# Altium PCB LimeSDR-USB_1v4.PcbDoc (part 9 of 10) (continued)
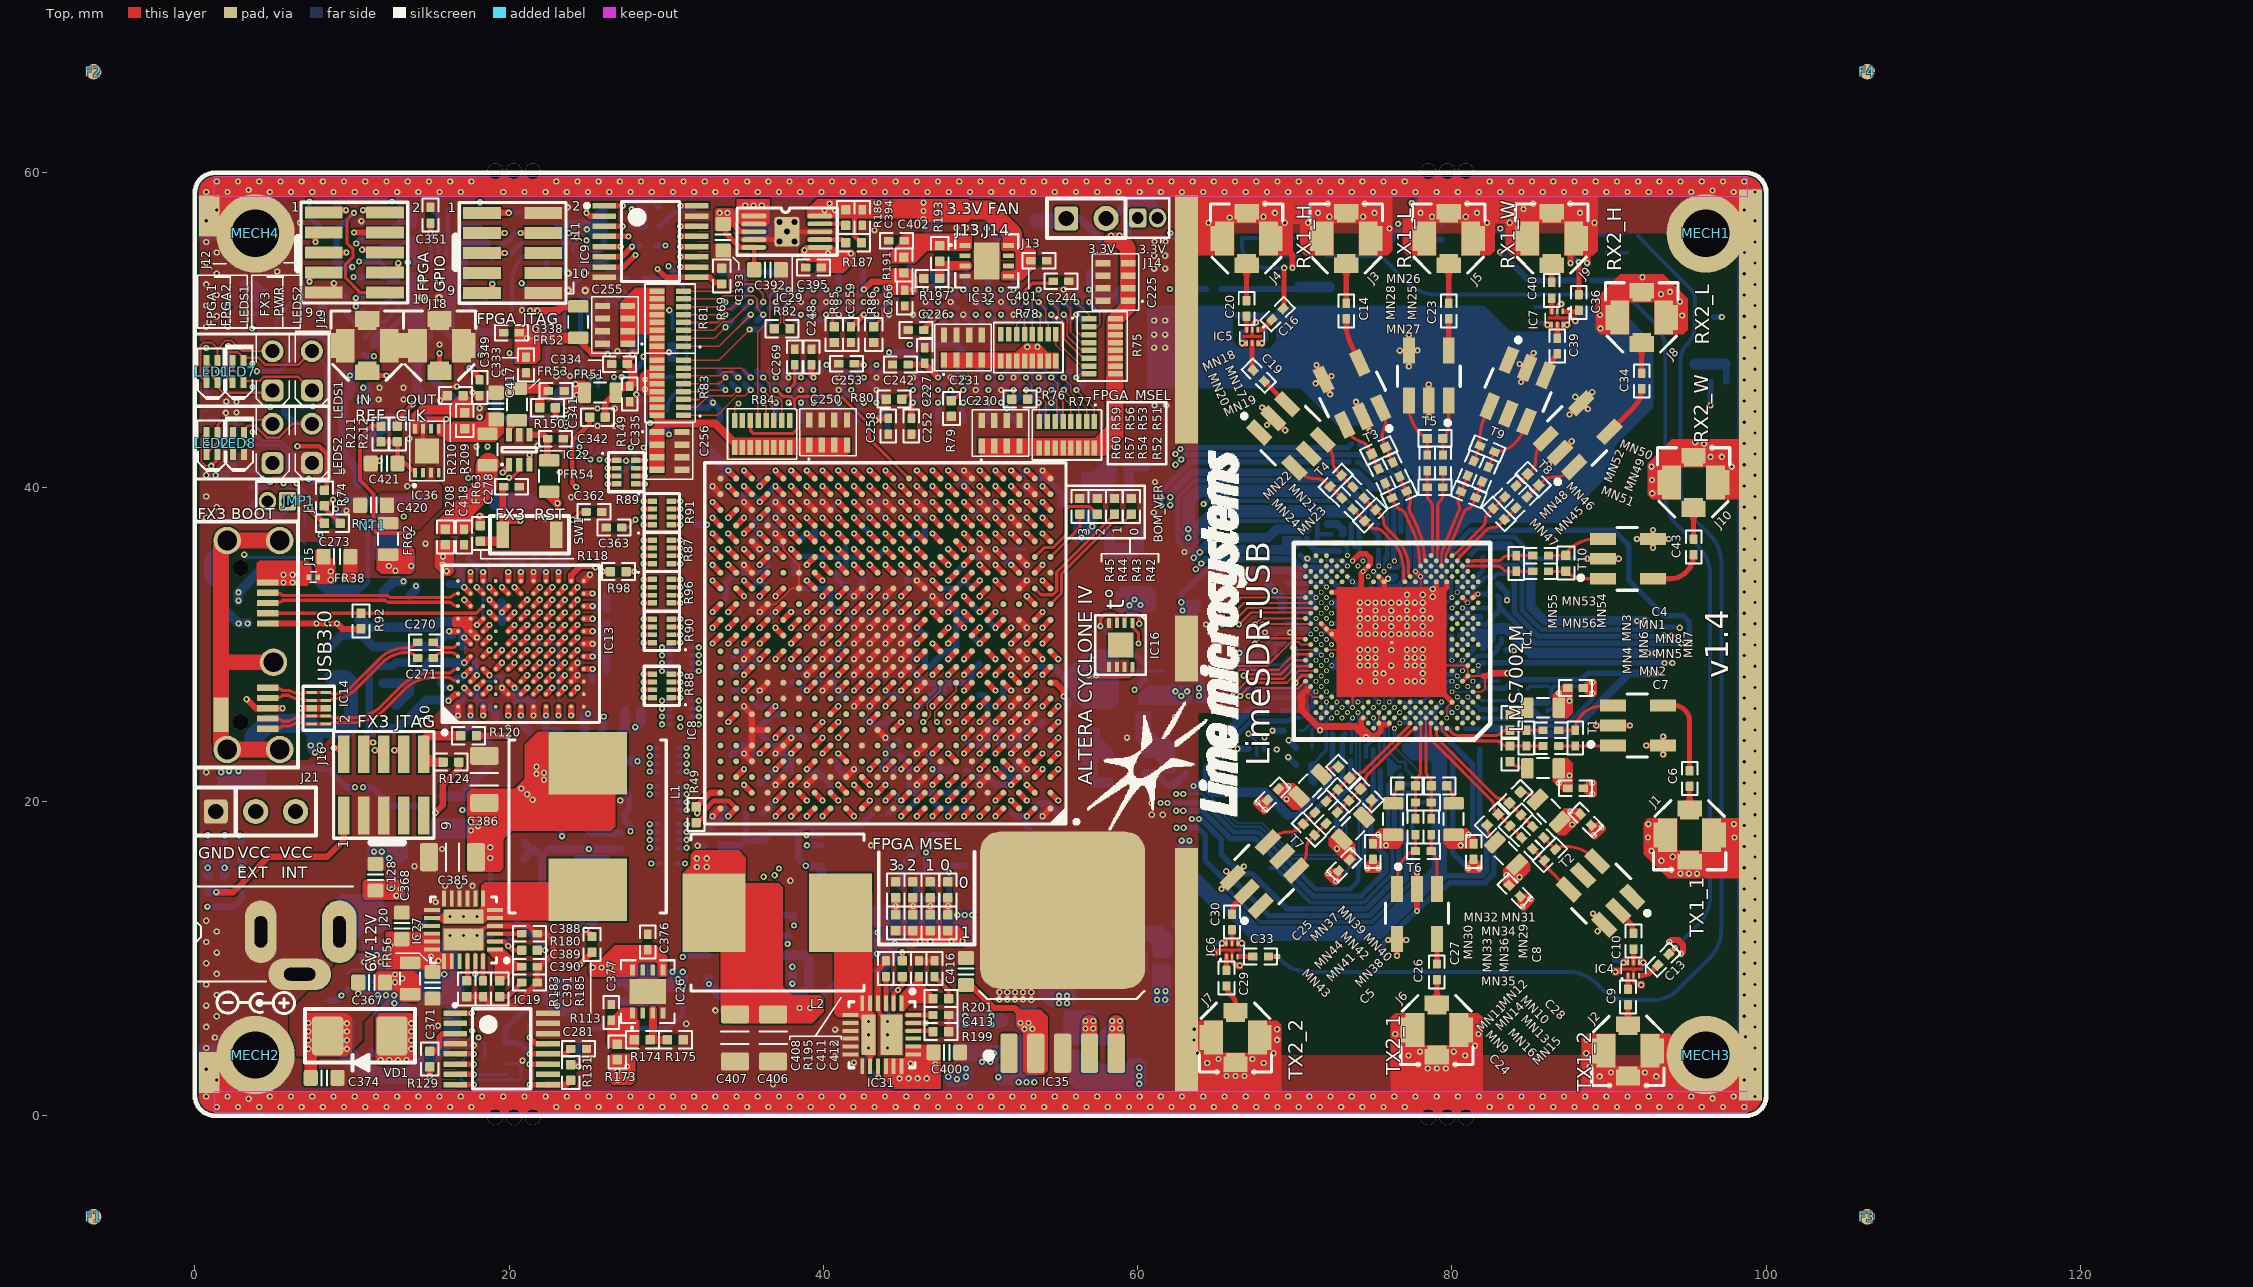
[diagram p0: Top view]
## Other copper (continued)
  region net GND: 67.734,54.75 69.584,54.75 69.859,55.025 69.859,57.025 68.309,58.575 66.934,58.575 66.934,56.8 67.734,56.8
  region net GND: 66.134,54.75 64.284,54.75 64.009,55.025 64.009,57.025 65.559,58.575 66.934,58.575 66.934,56.8 66.134,56.8
  region net GND: 74.075,54.75 75.925,54.75 76.2,55.025 76.2,58.575 73.275,58.575 73.275,56.8 74.075,56.8
  region net GND: 72.475,54.75 70.625,54.75 70.35,55.025 70.35,57.025 71.9,58.575 73.275,58.575 73.275,56.8 72.475,56.8
  region net GND: 80.6,54.75 82.45,54.75 82.725,55.025 82.725,57.025 81.175,58.575 79.8,58.575 79.8,56.8 80.6,56.8
  region net GND: 79,54.75 77.15,54.75 76.875,55.025 76.875,57.025 77.85,58 77.85,58.575 78.425,58.575 79.8,58.575 79.8,56.8 79,56.8
  region net GND: 87.15,54.75 89,54.75 89.275,55.025 89.275,58.575 86.35,58.575 86.35,56.8 87.15,56.8
  region net GND: 85.55,54.75 83.7,54.75 83.425,55.025 83.425,57.025 84.975,58.575 86.35,58.575 86.35,56.8 85.55,56.8
  region net GND: 92.875,49.725 94.725,49.725 95,50 95,52 93.45,53.55 92.075,53.55 92.075,51.775 92.875,51.775
  region net GND: 91.275,49.725 89.425,49.725 89.15,50 89.15,52 90.7,53.55 92.075,53.55 92.075,51.775 91.275,51.775
  region net GND: 96.175,39.225 98.3,39.225 98.3,43.05 95.375,43.05 95.375,41.275 96.175,41.275
  region net GND: 94.575,39.225 92.725,39.225 92.45,39.5 92.45,41.5 94,43.05 95.375,43.05 95.375,41.275 94.575,41.275
  region net GND: 94.325,18.925 92.475,18.925 92.2,18.65 92.2,16.65 93.75,15.1 95.125,15.1 95.125,16.875 94.325,16.875
  region net GND: 95.925,18.925 98.4,18.925 98.4,15.1 95.125,15.1 95.125,16.875 95.925,16.875
  region net GND: 90.4,5.2 88.55,5.2 88.275,4.925 88.275,1.375 91.2,1.375 91.2,3.15 90.4,3.15
  region net GND: 92,5.2 93.85,5.2 94.125,4.925 94.125,2.925 92.575,1.375 91.2,1.375 91.2,3.15 92,3.15
  region net GND: 65.425,6.05 63.575,6.05 63.3,5.775 63.3,1.5 66.225,1.5 66.225,4 65.425,4
  region net GND: 67.025,6.05 68.875,6.05 69.15,5.775 69.15,1.5 66.225,1.5 66.225,4 67.025,4
  region net GND: 79.84,6.525 81.69,6.525 81.965,6.25 81.965,4.25 80.415,2.7 79.04,2.7 79.04,4.475 79.84,4.475
  region net GND: 78.24,6.525 76.39,6.525 76.115,6.25 76.115,4.25 77.665,2.7 79.04,2.7 79.04,4.475 78.24,4.475
  region net VCC_INT: 16.475,10.325 15.725,10.325 15.6,10.45 15.6,11.7 14.3,11.7 12.15,11.7 12.15,9.325 16.475,9.325
  region net NetC389_1: 19.1,8.575 19.1,9.95 18.6,10.45 18.6,10.7 19.6,10.7 20.575,9.725 20.95,9.725 20.95,9.225 20.35,9.225 19.7,8.575
  region net VCC3P3: 17.325,15.6 17.4,15.525 19.4,15.525 19.625,15.75 19.625,17.575 20.175,18.125 26.475,18.125 26.75,18.4 26.75,20.5 26.45,20.8 17.6,20.8 17.325,20.525
  region net NetC378_2: 18.6,12.45 18.375,12.225 15.825,12.225 15.6,12.45 15.375,12.45 15.375,12.7 15.6,12.7 16.025,13.125 18.025,13.125 18.225,13.325 18.225,14.625 18.45,14.85 26.25,14.85 26.25,12.55 26.15,12.45
  region net TXRF2_1AB_N: 78.401,24.394 78.451,24.044 78.401,24.044
  region net TXRF2_1AB_P: 77.96,24.369 77.91,24.019 77.96,24.019
  region net TXRF2_1AB_N: 78.276,24.344 78.251,24.069 78.276,24.069
  region net TXRF2_1AB_P: 78.085,24.344 78.11,24.069 78.085,24.069
  region net TXRF1_1AB_P: 79.639,24.344 79.564,24.344 79.464,24.444
  region net RXRF2_HAB_P: 79.676,35.644 79.801,35.844 79.676,35.844
  region net RXRF2_WAB_N: 81.051,35.019 81.226,35.069 81.226,35.019
  region net RXRF2_WAB_N: 81.051,34.924 81.226,34.874 81.226,34.924
  region net GND: 89.055,18.653 89.479,18.653 89.78,18.352 89.78,18.176 89.179,17.575 89.002,17.575 88.701,17.875 88.701,18.299
  region net VCC1P8_LMS: 88.153,19.554 87.163,19.554 86.226,18.618 86.226,18.405 86.792,17.84 87.252,17.84 88.56,19.148
  region net GND: 88.38,21.072 88.68,21.372 89.105,21.372 89.23,21.247 89.23,20.397 89.105,20.272 88.68,20.272 88.38,20.572
  region net GND: 72.201,30.969 72.901,30.969 72.901,30.469 72.601,30.469
  region net GND: 68.433,19.912 68.433,19.488 68.132,19.187 67.956,19.187 67.355,19.788 67.355,19.965 67.655,20.265 68.079,20.265
  region net RXRF2_HAB_N: 79.326,36.044 79.301,35.844 79.401,35.944
  region net VCC1P8_LMS: 74.731,17.574 75.431,18.274 76.756,18.274 76.906,18.124 76.906,17.324 76.581,16.999 74.731,16.999
  region net GND: 75.23,16.299 75.53,15.999 75.53,15.574 75.405,15.449 74.555,15.449 74.43,15.574 74.43,15.999 74.73,16.299
  region net GND: 72.958,15.386 72.958,14.962 72.658,14.662 72.481,14.662 71.88,15.263 71.88,15.439 72.181,15.74 72.605,15.74
  region net VCC1P8_LMS: 73.86,16.288 73.86,17.278 72.923,18.215 72.711,18.215 72.145,17.649 72.145,17.189 73.453,15.881
  region net VCC1P8_LMS: 81.63,17.574 80.93,18.274 79.605,18.274 79.455,18.124 79.455,17.324 79.78,16.999 81.63,16.999
  region net GND: 81.63,16.299 81.93,15.999 81.93,15.574 81.805,15.449 80.955,15.449 80.83,15.574 80.83,15.999 81.13,16.299
  region net GND: 84.529,14.127 84.954,14.127 85.254,13.827 85.254,13.65 84.653,13.049 84.476,13.049 84.176,13.35 84.176,13.774
  region net VCC1P8_LMS: 83.275,14.676 83.275,15.666 84.212,16.603 84.424,16.603 84.99,16.037 84.99,15.578 83.681,14.27
  region net VCC1P8_LMS: 87.105,20.573 86.405,21.273 86.405,22.598 86.555,22.748 87.355,22.748 87.68,22.423 87.68,20.573
  region net VCC1P8_LMS: 68.982,21.166 69.972,21.166 70.909,20.229 70.909,20.017 70.343,19.452 69.883,19.452 68.575,20.76
  region net GND: 88.38,27.472 88.68,27.772 89.105,27.772 89.23,27.647 89.23,26.797 89.105,26.672 88.68,26.672 88.38,26.972
  region net VCC1P8_LMS: 87.105,27.472 86.405,26.772 86.405,25.447 86.555,25.297 87.355,25.297 87.68,25.622 87.68,27.472
  region net VCC1P2: 39.3,5.875 40.025,6.6 40.025,7.45 39.8,7.675 37.975,7.675 37.425,8.225 37.425,14.525 37.15,14.8 35.05,14.8 33.475,13.225 33.475,6.55 34.15,5.875
  region net NetC399_2: 43.1,6.65 43.325,6.425 43.325,3.875 43.1,3.65 43.1,3.425 42.85,3.425 42.85,3.65 42.425,4.075 42.425,6.075 42.225,6.275 40.925,6.275 40.7,6.5 40.7,14.3 43,14.3 43.1,14.2
  region net VCC_INT: 45.225,4.525 45.225,3.775 45.1,3.65 43.85,3.65 43.85,2.35 44.475,1.725 47.475,1.725 47.475,4.525
  region net NetC411_1: 46.975,7.15 45.6,7.15 45.1,6.65 44.85,6.65 44.85,7.65 45.825,8.625 45.825,9 46.325,9 46.325,8.4 46.975,7.75
  region net GND: 1.25,59.775 98.8,59.775 98.8,58.475 1.25,58.475
  region net GND: 1.25,0.225 98.8,0.225 98.8,1.525 1.25,1.525
  region net +1.8V_DIG_LMK: 20.35,47.85 20.35,49.475 20.35,50.175 20.5,50.325 21.75,50.325 21.975,50.1 21.975,48.125 21.7,47.85
  region net VCC_INT: 11.575,36.1 13.875,36.1 13.975,36 13.975,34.675 13.775,34.475 11.85,34.475 11.575,34.75
  region net VCC3P3: 38.95,57.1 42.6,57.1 42.775,57.275 42.775,58.325 39.6,58.325 38.95,57.675
  region net VTT_DDR2: 34.175,43 34.325,43.15 41.7,43.15 41.7,42.225 41.525,42.05 34.175,42.05
  region net VTT_DDR2: 47.475,48.55 54.925,48.55 54.975,48.5 54.975,47.55 47.525,47.55 47.475,47.6
  region net VTT_DDR2: 49.875,43.1 57.275,43.1 57.425,42.95 57.425,42 50.025,42 49.875,42.15
  region net VCC3P3: 49.175,56.85 46.225,56.85 45.975,57.1 42.6,57.1 42.6,58.15 42.775,58.325 49.175,58.325 49.375,58.125 49.375,57.05
  region net VTT_DDR2: 57.275,43.1 58,43.825 58,47.15 58.95,47.15 59.075,47.025 59.075,43.175 57.9,42 57.425,42 57.275,42.15
  region net VTT_DDR2: 28.925,40.9 28.925,43.6 29.275,43.95 29.275,44.25 28.925,44.6 28.925,52.675 29.875,52.675 29.875,40.9
  region net VTT_DDR2: 28.925,49.725 27.075,49.725 27.075,51.725 28.025,52.675 28.925,52.675
  region net VTT_DDR2: 29.075,47.475 28.65,47.475 28.325,47.15 28.325,46.15 28.65,45.825 29.075,45.825
  region net VTT_DDR2: 34.35,56.85 34.35,57.625 34.225,57.75 33.225,57.75 33.1,57.625 33.1,56.375 33.2,56.275 33.725,56.275 34.3,56.85
  region net VTT_DDR2: 54.325,48.55 53.75,49.125 52.8,49.125 52.225,48.55
  pour cut-out: 63.85,3.85 63.85,25.647 70.875,25.647 70.875,34.971 63.85,34.971 63.85,56.15 99.725,56.15 99.725,3.85
  region net VCC3P3_CLK: 15.275,36.625 15.275,34.9 15.825,34.35 16.25,34.35 16.475,34.575 16.475,36.625
  region net GND: 98.9,4.05 95.95,1.1 98.9,1.1
  region net VTT_DDR2: 27.075,48.925 27.075,50.175 28.025,50.175 28.025,48.925
  region net GND: 65.525,54.75 63.5,54.75 63.5,58.73 65.525,58.73
  region net VCC1P8_DDR2: 43.975,52.225 45.825,52.225 46,52.4 46,53.4 45.475,53.925 44.425,53.925 43.775,53.275 43.775,52.425
  region net NetC402_2: 49.45,55.2 49.275,55.025 45,55.025 44.85,55.175 44.85,55.9 45.075,56.125 49.275,56.125 49.45,55.95
  region net VCC3P3: 52.25,54.4 52.25,53.9 52.125,53.775 51.425,53.775 51.325,53.675 51.325,53.25 51.425,53.15 52.65,53.15 53.51,54.01 53.51,54.4
  region net VCC3P3: 52.25,54.4 52.25,54.9 52.125,55.025 51.425,55.025 51.325,55.125 51.325,55.55 51.7,55.925 52.625,55.925 53.51,55.04 53.51,54.4
  region net NetC402_2: 45.45,54.25 45.825,54.25 46.6,55.025 46.6,55.5 46.425,55.675 45.25,55.675 45.175,55.6 44.913,55.6 44.325,55.012 44.325,54.25
  region net VCC2P5: 26.35,3.8 26.35,2.225 26.6,1.975 27.8,1.975 28.025,2.2 28.025,3.75 27.825,3.95 26.5,3.95
  region net GND: 76.115,4.25 76.115,1.225 81.965,1.225 81.965,4.25
  region net NetIC36_8: 14.625,45.2 14.375,45.2 13.8,44.625 13.8,43.45 13.9,43.35 14.175,43.35 14.275,43.45 14.275,44.35 14.55,44.625 14.625,44.625
  region net NetC417_2: 15.4,44.025 16.27,44.025 16.42,44.15 18.275,44.15 18.5,44.375 18.5,44.675 18.575,44.75 19.45,44.75 19.675,44.525 19.675,43.425 19.125,42.875 16.05,42.875 15.675,43.25 15.45,43.25 15.4,43.3
  region net NetIC36_8: 14.625,45.2 16.175,45.2 17,46.025 17.25,46.025 17.75,45.525 17.75,44.4 16.4,44.4 16.175,44.625 14.625,44.625
  pour cut-out: 3,36.5 7.975,36.5 10.275,34.2 16.575,34.2 17.15,33.625 17.15,27.225 16.975,27.225 14.3,24.55 9.1,24.55 7.2,22.65 2.975,22.65
  region net GND: 98.5,59.775 98.7,59.775 cw(c98.7,58.75) 99.725,58.75 99.725,58.45 98.5,58.45
  region net GND: 1.5,59.775 1.3,59.775 ccw(c1.3,58.75) 0.275,58.75 0.275,58.475 1.5,58.475
  region net GND: 1.5,0.225 1.3,0.225 cw(c1.3,1.25) 0.275,1.25 0.275,1.525 1.5,1.525
  region net GND: 98.5,0.225 98.7,0.225 ccw(c98.7,1.25) 99.725,1.25 99.725,1.525 98.5,1.525
L2:
  pour cut-out: 66.144,53.625 66.144,54.825 67.719,54.825 67.719,53.625
  pour cut-out: 72.485,53.625 72.485,54.825 74.06,54.825 74.06,53.625
  pour cut-out: 79.01,53.625 79.01,54.825 80.585,54.825 80.585,53.625
  pour cut-out: 85.56,53.625 85.56,54.825 87.135,54.825 87.135,53.625
  pour cut-out: 91.285,48.6 91.285,49.8 92.86,49.8 92.86,48.6
  pour cut-out: 94.585,38.1 94.585,39.3 96.16,39.3 96.16,38.1
  pour cut-out: 94.335,20.05 94.335,18.85 95.91,18.85 95.91,20.05
  pour cut-out: 90.41,6.325 90.41,5.125 91.985,5.125 91.985,6.325
  pour cut-out: 65.435,7.175 65.435,5.975 67.01,5.975 67.01,7.175
  pour cut-out: 78.25,7.65 78.25,6.45 79.825,6.45 79.825,7.65
  pour cut-out: 72.46,44.564 73.167,43.046 73.87,43.374 73.162,44.892
  pour cut-out: 74.76,45.639 75.467,44.121 76.17,44.449 75.462,45.967
  pour cut-out: 74.84,47.311 74.132,48.829 73.43,48.501 74.138,46.983
  pour cut-out: 86.017,46.2 86.658,47.747 85.941,48.044 85.301,46.496
  pour cut-out: 84.8,43.262 85.441,44.809 84.725,45.106 84.084,43.558
  pour cut-out: 82.453,44.234 83.094,45.781 82.378,46.078 81.737,44.53
  pour cut-out: 68.665,45.582 69.85,44.398 70.398,44.946 69.213,46.13
  pour cut-out: 70.842,40.911 69.657,42.096 69.109,41.548 70.294,40.363
  pour cut-out: 72.638,42.707 71.453,43.892 70.905,43.344 72.09,42.159
  pour cut-out: 79.408,49.514 79.408,47.839 80.183,47.839 80.183,49.514
  pour cut-out: 76.868,46.334 76.868,44.659 77.643,44.659 77.643,46.334
  pour cut-out: 80.184,44.671 80.184,46.346 79.409,46.346 79.409,44.671
  pour cut-out: 90.338,44.389 89.154,43.205 89.702,42.657 90.886,43.841
  pour cut-out: 85.667,42.212 86.851,43.397 86.303,43.945 85.119,42.76
  pour cut-out: 87.463,40.416 88.647,41.601 88.099,42.149 86.915,40.964
  pour cut-out: 91.953,33.78 93.628,33.78 93.628,34.555 91.953,34.555
  pour cut-out: 88.773,33.78 90.448,33.78 90.448,34.555 88.773,34.555
  pour cut-out: 88.773,36.32 90.448,36.32 90.448,37.095 88.773,37.095
  pour cut-out: 92.604,25.705 94.279,25.705 94.279,26.48 92.604,26.48
  pour cut-out: 89.424,23.165 91.099,23.165 91.099,23.94 89.424,23.94
  pour cut-out: 89.424,25.705 91.099,25.705 91.099,26.48 89.424,26.48
  pour cut-out: 88.378,16.499 89.562,15.315 90.11,15.863 88.926,17.047
  pour cut-out: 86.582,14.703 87.766,13.518 88.314,14.066 87.13,15.251
  pour cut-out: 89.728,13.352 90.913,12.168 91.461,12.716 90.276,13.9
  pour cut-out: 78.662,15.255 78.662,13.58 79.437,13.58 79.437,15.255
  pour cut-out: 76.122,15.255 76.122,13.58 76.897,13.58 76.897,15.255
  pour cut-out: 78.662,12.075 78.662,10.4 79.437,10.4 79.437,12.075
  pour cut-out: 67.258,15.113 66.073,13.928 66.621,13.38 67.806,14.565
  pour cut-out: 68.608,18.259 67.424,17.075 67.972,16.527 69.156,17.711
  pour cut-out: 70.404,16.463 69.22,15.279 69.768,14.731 70.952,15.915
  region net FX3_GND: 9.192,37.175 13.408,37.175 13.408,36.658 13.15,36.4 9.275,36.4 9.2,36.475
  region net GND: 13.7,37.775 13.85,37.925 13.85,38.425 13.675,38.6 9.472,38.6 9.295,38.423 9.3,38.418 9.3,38.3 9.119,38.119 9.098,38.119 9.05,38.072 9.05,37.775
L3:
  pour cut-out: 66.144,53.625 66.144,54.825 67.719,54.825 67.719,53.625
  pour cut-out: 66.144,53.625 66.144,54.825 67.719,54.825 67.719,53.625
  pour cut-out: 72.485,53.625 72.485,54.825 74.06,54.825 74.06,53.625
  pour cut-out: 72.485,53.625 72.485,54.825 74.06,54.825 74.06,53.625
  pour cut-out: 79.01,53.625 79.01,54.825 80.585,54.825 80.585,53.625
  pour cut-out: 79.01,53.625 79.01,54.825 80.585,54.825 80.585,53.625
  pour cut-out: 85.56,53.625 85.56,54.825 87.135,54.825 87.135,53.625
  pour cut-out: 85.56,53.625 85.56,54.825 87.135,54.825 87.135,53.625
  pour cut-out: 91.285,48.6 91.285,49.8 92.86,49.8 92.86,48.6
  pour cut-out: 91.285,48.6 91.285,49.8 92.86,49.8 92.86,48.6
  pour cut-out: 94.585,38.1 94.585,39.3 96.16,39.3 96.16,38.1
  pour cut-out: 94.585,38.1 94.585,39.3 96.16,39.3 96.16,38.1
  pour cut-out: 94.335,20.05 94.335,18.85 95.91,18.85 95.91,20.05
  pour cut-out: 94.335,20.05 94.335,18.85 95.91,18.85 95.91,20.05
  pour cut-out: 90.41,6.325 90.41,5.125 91.985,5.125 91.985,6.325
  pour cut-out: 90.41,6.325 90.41,5.125 91.985,5.125 91.985,6.325
  pour cut-out: 65.435,7.175 65.435,5.975 67.01,5.975 67.01,7.175
  pour cut-out: 65.435,7.175 65.435,5.975 67.01,5.975 67.01,7.175
  pour cut-out: 78.25,7.65 78.25,6.45 79.825,6.45 79.825,7.65
  pour cut-out: 78.25,7.65 78.25,6.45 79.825,6.45 79.825,7.65
  region net VCC_INT: 11.5,26.325 9.25,24.075 13.75,24.075 13.75,24.925 12.35,26.325
  pour cut-out: 72.46,44.564 73.167,43.046 73.87,43.374 73.162,44.892
  pour cut-out: 74.76,45.639 75.467,44.121 76.17,44.449 75.462,45.967
  pour cut-out: 74.84,47.311 74.132,48.829 73.43,48.501 74.138,46.983
  pour cut-out: 86.017,46.2 86.658,47.747 85.941,48.044 85.301,46.496
  pour cut-out: 84.8,43.262 85.441,44.809 84.725,45.106 84.084,43.558
  pour cut-out: 82.453,44.234 83.094,45.781 82.378,46.078 81.737,44.53
  pour cut-out: 68.665,45.582 69.85,44.398 70.398,44.946 69.213,46.13
  pour cut-out: 70.842,40.911 69.657,42.096 69.109,41.548 70.294,40.363
  pour cut-out: 72.638,42.707 71.453,43.892 70.905,43.344 72.09,42.159
  pour cut-out: 79.408,49.514 79.408,47.839 80.183,47.839 80.183,49.514
  pour cut-out: 76.868,46.334 76.868,44.659 77.643,44.659 77.643,46.334
  pour cut-out: 80.184,44.671 80.184,46.346 79.409,46.346 79.409,44.671
  pour cut-out: 90.338,44.389 89.154,43.205 89.702,42.657 90.886,43.841
  pour cut-out: 85.667,42.212 86.851,43.397 86.303,43.945 85.119,42.76
  pour cut-out: 87.463,40.416 88.647,41.601 88.099,42.149 86.915,40.964
  pour cut-out: 91.953,33.78 93.628,33.78 93.628,34.555 91.953,34.555
  pour cut-out: 88.773,33.78 90.448,33.78 90.448,34.555 88.773,34.555
  pour cut-out: 88.773,36.32 90.448,36.32 90.448,37.095 88.773,37.095
  pour cut-out: 92.604,25.705 94.279,25.705 94.279,26.48 92.604,26.48
  pour cut-out: 89.424,23.165 91.099,23.165 91.099,23.94 89.424,23.94
  pour cut-out: 89.424,25.705 91.099,25.705 91.099,26.48 89.424,26.48
  pour cut-out: 88.378,16.499 89.562,15.315 90.11,15.863 88.926,17.047
  pour cut-out: 86.582,14.703 87.766,13.518 88.314,14.066 87.13,15.251
  pour cut-out: 89.728,13.352 90.913,12.168 91.461,12.716 90.276,13.9
  pour cut-out: 78.662,15.255 78.662,13.58 79.437,13.58 79.437,15.255
  pour cut-out: 76.122,15.255 76.122,13.58 76.897,13.58 76.897,15.255
  pour cut-out: 78.662,12.075 78.662,10.4 79.437,10.4 79.437,12.075
  pour cut-out: 67.258,15.113 66.073,13.928 66.621,13.38 67.806,14.565
  pour cut-out: 68.608,18.259 67.424,17.075 67.972,16.527 69.156,17.711
  pour cut-out: 70.404,16.463 69.22,15.279 69.768,14.731 70.952,15.915
  region net VCC3P3_CLK: 23.125,46.75 24.875,46.75 25,46.625 25,46.167 24.479,45.646 23.671,45.646 23.575,45.55 23.125,45.55
  region net VDIO_LMS: 48.65,5.575 48.65,6.5 48.85,6.7 50.85,6.7 51.025,6.525 51.025,5.575 50.85,5.4 48.825,5.4
  region net VCC2P5A_FPGA: 49.675,12.575 49.675,13.8 48.825,14.65 48.382,14.65 47.857,14.125 47.857,13.843 48.25,13.45 48.25,12.775 48.45,12.575
  region net VCC3P3_CLK: 12.2,49.325 13.375,48.15 13.375,47.875 13.075,47.575 11.85,47.575 11.35,47.075 10.975,47.075 10.45,47.6 10.45,48.075 11.7,49.325
  region net VDIO_LMS: 66.1,29.075 66.625,28.55 67.625,28.55 67.625,29.675 67.27,29.675 67.05,29.875 66.1,29.875
L4:
  pour cut-out: 66.144,53.625 66.144,54.825 67.719,54.825 67.719,53.625
  pour cut-out: 72.485,53.625 72.485,54.825 74.06,54.825 74.06,53.625
  pour cut-out: 79.01,53.625 79.01,54.825 80.585,54.825 80.585,53.625
  pour cut-out: 85.56,53.625 85.56,54.825 87.135,54.825 87.135,53.625
  pour cut-out: 91.285,48.6 91.285,49.8 92.86,49.8 92.86,48.6
  pour cut-out: 94.585,38.1 94.585,39.3 96.16,39.3 96.16,38.1
  pour cut-out: 94.335,20.05 94.335,18.85 95.91,18.85 95.91,20.05
  pour cut-out: 90.41,6.325 90.41,5.125 91.985,5.125 91.985,6.325
  pour cut-out: 65.435,7.175 65.435,5.975 67.01,5.975 67.01,7.175
  pour cut-out: 78.25,7.65 78.25,6.45 79.825,6.45 79.825,7.65
  pour cut-out: 72.46,44.564 73.167,43.046 73.87,43.374 73.162,44.892
  pour cut-out: 74.76,45.639 75.467,44.121 76.17,44.449 75.462,45.967
  pour cut-out: 74.84,47.311 74.132,48.829 73.43,48.501 74.138,46.983
  pour cut-out: 86.017,46.2 86.658,47.747 85.941,48.044 85.301,46.496
  pour cut-out: 84.8,43.262 85.441,44.809 84.725,45.106 84.084,43.558
  pour cut-out: 82.453,44.234 83.094,45.781 82.378,46.078 81.737,44.53
  pour cut-out: 68.665,45.582 69.85,44.398 70.398,44.946 69.213,46.13
  pour cut-out: 70.842,40.911 69.657,42.096 69.109,41.548 70.294,40.363
  pour cut-out: 72.638,42.707 71.453,43.892 70.905,43.344 72.09,42.159
  pour cut-out: 79.408,49.514 79.408,47.839 80.183,47.839 80.183,49.514
  pour cut-out: 76.868,46.334 76.868,44.659 77.643,44.659 77.643,46.334
  pour cut-out: 80.184,44.671 80.184,46.346 79.409,46.346 79.409,44.671
  pour cut-out: 90.338,44.389 89.154,43.205 89.702,42.657 90.886,43.841
  pour cut-out: 85.667,42.212 86.851,43.397 86.303,43.945 85.119,42.76
  pour cut-out: 87.463,40.416 88.647,41.601 88.099,42.149 86.915,40.964
  pour cut-out: 91.953,33.78 93.628,33.78 93.628,34.555 91.953,34.555
  pour cut-out: 88.773,33.78 90.448,33.78 90.448,34.555 88.773,34.555
  pour cut-out: 88.773,36.32 90.448,36.32 90.448,37.095 88.773,37.095
  pour cut-out: 92.604,25.705 94.279,25.705 94.279,26.48 92.604,26.48
  pour cut-out: 89.424,23.165 91.099,23.165 91.099,23.94 89.424,23.94
  pour cut-out: 89.424,25.705 91.099,25.705 91.099,26.48 89.424,26.48
  pour cut-out: 88.378,16.499 89.562,15.315 90.11,15.863 88.926,17.047
  pour cut-out: 86.582,14.703 87.766,13.518 88.314,14.066 87.13,15.251
  pour cut-out: 89.728,13.352 90.913,12.168 91.461,12.716 90.276,13.9
  pour cut-out: 78.662,15.255 78.662,13.58 79.437,13.58 79.437,15.255
  pour cut-out: 76.122,15.255 76.122,13.58 76.897,13.58 76.897,15.255
  pour cut-out: 78.662,12.075 78.662,10.4 79.437,10.4 79.437,12.075
  pour cut-out: 67.258,15.113 66.073,13.928 66.621,13.38 67.806,14.565
  pour cut-out: 68.608,18.259 67.424,17.075 67.972,16.527 69.156,17.711
  pour cut-out: 70.404,16.463 69.22,15.279 69.768,14.731 70.952,15.915
L5:
  pour cut-out: 66.144,53.625 66.144,54.825 67.719,54.825 67.719,53.625
  pour cut-out: 72.485,53.625 72.485,54.825 74.06,54.825 74.06,53.625
  pour cut-out: 79.01,53.625 79.01,54.825 80.585,54.825 80.585,53.625
  pour cut-out: 85.56,53.625 85.56,54.825 87.135,54.825 87.135,53.625
  pour cut-out: 91.285,48.6 91.285,49.8 92.86,49.8 92.86,48.6
  pour cut-out: 94.585,38.1 94.585,39.3 96.16,39.3 96.16,38.1
  pour cut-out: 94.335,20.05 94.335,18.85 95.91,18.85 95.91,20.05
  pour cut-out: 90.41,6.325 90.41,5.125 91.985,5.125 91.985,6.325
  pour cut-out: 65.435,7.175 65.435,5.975 67.01,5.975 67.01,7.175
  pour cut-out: 78.25,7.65 78.25,6.45 79.825,6.45 79.825,7.65
  pour cut-out: 72.46,44.564 73.167,43.046 73.87,43.374 73.162,44.892
  pour cut-out: 74.76,45.639 75.467,44.121 76.17,44.449 75.462,45.967
  pour cut-out: 74.84,47.311 74.132,48.829 73.43,48.501 74.138,46.983
  pour cut-out: 86.017,46.2 86.658,47.747 85.941,48.044 85.301,46.496
  pour cut-out: 84.8,43.262 85.441,44.809 84.725,45.106 84.084,43.558
  pour cut-out: 82.453,44.234 83.094,45.781 82.378,46.078 81.737,44.53
  pour cut-out: 68.665,45.582 69.85,44.398 70.398,44.946 69.213,46.13
  pour cut-out: 70.842,40.911 69.657,42.096 69.109,41.548 70.294,40.363
  pour cut-out: 72.638,42.707 71.453,43.892 70.905,43.344 72.09,42.159
  pour cut-out: 79.408,49.514 79.408,47.839 80.183,47.839 80.183,49.514
  pour cut-out: 76.868,46.334 76.868,44.659 77.643,44.659 77.643,46.334
  pour cut-out: 80.184,44.671 80.184,46.346 79.409,46.346 79.409,44.671
  pour cut-out: 90.338,44.389 89.154,43.205 89.702,42.657 90.886,43.841
  pour cut-out: 85.667,42.212 86.851,43.397 86.303,43.945 85.119,42.76
  pour cut-out: 87.463,40.416 88.647,41.601 88.099,42.149 86.915,40.964
  pour cut-out: 91.953,33.78 93.628,33.78 93.628,34.555 91.953,34.555
  pour cut-out: 88.773,33.78 90.448,33.78 90.448,34.555 88.773,34.555
  pour cut-out: 88.773,36.32 90.448,36.32 90.448,37.095 88.773,37.095
  pour cut-out: 92.604,25.705 94.279,25.705 94.279,26.48 92.604,26.48
  pour cut-out: 89.424,23.165 91.099,23.165 91.099,23.94 89.424,23.94
  pour cut-out: 89.424,25.705 91.099,25.705 91.099,26.48 89.424,26.48
  pour cut-out: 88.378,16.499 89.562,15.315 90.11,15.863 88.926,17.047
  pour cut-out: 86.582,14.703 87.766,13.518 88.314,14.066 87.13,15.251
  pour cut-out: 89.728,13.352 90.913,12.168 91.461,12.716 90.276,13.9
  pour cut-out: 78.662,15.255 78.662,13.58 79.437,13.58 79.437,15.255
  pour cut-out: 76.122,15.255 76.122,13.58 76.897,13.58 76.897,15.255
  pour cut-out: 78.662,12.075 78.662,10.4 79.437,10.4 79.437,12.075
  pour cut-out: 67.258,15.113 66.073,13.928 66.621,13.38 67.806,14.565
  pour cut-out: 68.608,18.259 67.424,17.075 67.972,16.527 69.156,17.711
  pour cut-out: 70.404,16.463 69.22,15.279 69.768,14.731 70.952,15.915
  region net VDIO_LMS: 72.3,28.85 72.45,29 73,29 73.175,28.825 73.175,28.225 73,28.05 72.425,28.05 72.3,28.175 72.3,28.425 72.125,28.6 72.125,28.7
L8:
  pour cut-out: 87.463,40.416 88.647,41.601 88.099,42.149 86.915,40.964
  pour cut-out: 85.667,42.212 86.851,43.397 86.303,43.945 85.119,42.76
  pour cut-out: 90.338,44.389 89.154,43.205 89.702,42.657 90.886,43.841
  pour cut-out: 80.184,44.671 80.184,46.346 79.409,46.346 79.409,44.671
  pour cut-out: 76.868,46.334 76.868,44.659 77.643,44.659 77.643,46.334
  pour cut-out: 79.408,49.514 79.408,47.839 80.183,47.839 80.183,49.514
  pour cut-out: 72.638,42.707 71.453,43.892 70.905,43.344 72.09,42.159
  pour cut-out: 70.842,40.911 69.657,42.096 69.109,41.548 70.294,40.363
  pour cut-out: 68.665,45.582 69.85,44.398 70.398,44.946 69.213,46.13
  pour cut-out: 82.453,44.234 83.094,45.781 82.378,46.078 81.737,44.53
  pour cut-out: 84.8,43.262 85.441,44.809 84.725,45.106 84.084,43.558
  pour cut-out: 86.017,46.2 86.658,47.747 85.941,48.044 85.301,46.496
  pour cut-out: 74.84,47.311 74.132,48.829 73.43,48.501 74.138,46.983
  pour cut-out: 74.76,45.639 75.467,44.121 76.17,44.449 75.462,45.967
  pour cut-out: 72.46,44.564 73.167,43.046 73.87,43.374 73.162,44.892
  pour cut-out: 88.773,36.32 90.448,36.32 90.448,37.095 88.773,37.095
  pour cut-out: 88.773,33.78 90.448,33.78 90.448,34.555 88.773,34.555
  pour cut-out: 91.953,33.78 93.628,33.78 93.628,34.555 91.953,34.555
  pour cut-out: 89.424,25.705 91.099,25.705 91.099,26.48 89.424,26.48
  pour cut-out: 89.424,23.165 91.099,23.165 91.099,23.94 89.424,23.94
  pour cut-out: 92.604,25.705 94.279,25.705 94.279,26.48 92.604,26.48
  pour cut-out: 89.728,13.352 90.913,12.168 91.461,12.716 90.276,13.9
  pour cut-out: 86.582,14.703 87.766,13.518 88.314,14.066 87.13,15.251
  pour cut-out: 88.378,16.499 89.562,15.315 90.11,15.863 88.926,17.047
  pour cut-out: 78.662,12.075 78.662,10.4 79.437,10.4 79.437,12.075
  pour cut-out: 76.122,15.255 76.122,13.58 76.897,13.58 76.897,15.255
  pour cut-out: 78.662,15.255 78.662,13.58 79.437,13.58 79.437,15.255
  pour cut-out: 70.404,16.463 69.22,15.279 69.768,14.731 70.952,15.915
  pour cut-out: 68.608,18.259 67.424,17.075 67.972,16.527 69.156,17.711
  pour cut-out: 67.258,15.113 66.073,13.928 66.621,13.38 67.806,14.565
  region net VCC1P8_LMS: 67.85,39.675 66.025,39.675 63.659,42.041 62.847,42.041 62.283,41.477 62.283,41.292 66.4,37.175 67.8,37.175 67.85,37.225
  region net VCC1P8_LMS: 63.3,35.925 63.275,35.425 63.4,35.3 63.736,35.3 64.2,35.6 64.2,35.9
L9:
  pour cut-out: 72.46,44.564 73.167,43.046 73.87,43.374 73.162,44.892
  pour cut-out: 74.76,45.639 75.467,44.121 76.17,44.449 75.462,45.967
  pour cut-out: 74.84,47.311 74.132,48.829 73.43,48.501 74.138,46.983
  pour cut-out: 86.017,46.2 86.658,47.747 85.941,48.044 85.301,46.496
  pour cut-out: 84.8,43.262 85.441,44.809 84.725,45.106 84.084,43.558
  pour cut-out: 82.453,44.234 83.094,45.781 82.378,46.078 81.737,44.53
  pour cut-out: 68.665,45.582 69.85,44.398 70.398,44.946 69.213,46.13
  pour cut-out: 70.842,40.911 69.657,42.096 69.109,41.548 70.294,40.363
  pour cut-out: 72.638,42.707 71.453,43.892 70.905,43.344 72.09,42.159
  pour cut-out: 79.408,49.514 79.408,47.839 80.183,47.839 80.183,49.514
  pour cut-out: 76.868,46.334 76.868,44.659 77.643,44.659 77.643,46.334
  pour cut-out: 80.184,44.671 80.184,46.346 79.409,46.346 79.409,44.671
  pour cut-out: 90.338,44.389 89.154,43.205 89.702,42.657 90.886,43.841
  pour cut-out: 85.667,42.212 86.851,43.397 86.303,43.945 85.119,42.76
  pour cut-out: 87.463,40.416 88.647,41.601 88.099,42.149 86.915,40.964
  pour cut-out: 91.953,33.78 93.628,33.78 93.628,34.555 91.953,34.555
  pour cut-out: 88.773,33.78 90.448,33.78 90.448,34.555 88.773,34.555
  pour cut-out: 88.773,36.32 90.448,36.32 90.448,37.095 88.773,37.095
  pour cut-out: 92.604,25.705 94.279,25.705 94.279,26.48 92.604,26.48
  pour cut-out: 89.424,23.165 91.099,23.165 91.099,23.94 89.424,23.94
  pour cut-out: 89.424,25.705 91.099,25.705 91.099,26.48 89.424,26.48
  pour cut-out: 88.378,16.499 89.562,15.315 90.11,15.863 88.926,17.047
  pour cut-out: 86.582,14.703 87.766,13.518 88.314,14.066 87.13,15.251
  pour cut-out: 89.728,13.352 90.913,12.168 91.461,12.716 90.276,13.9
  pour cut-out: 78.662,15.255 78.662,13.58 79.437,13.58 79.437,15.255
  pour cut-out: 76.122,15.255 76.122,13.58 76.897,13.58 76.897,15.255
  pour cut-out: 78.662,12.075 78.662,10.4 79.437,10.4 79.437,12.075
  pour cut-out: 67.258,15.113 66.073,13.928 66.621,13.38 67.806,14.565
  pour cut-out: 68.608,18.259 67.424,17.075 67.972,16.527 69.156,17.711
  pour cut-out: 70.404,16.463 69.22,15.279 69.768,14.731 70.952,15.915
  region net FX3_VBUS: 8.925,33.938 9.1,34.113 9.1,34.8 8.913,34.988 8.425,34.987 8.225,34.787 8.225,34.112 8.4,33.937